# KiCad board uart-breakout.kicad_pcb
date: 2023-07-02
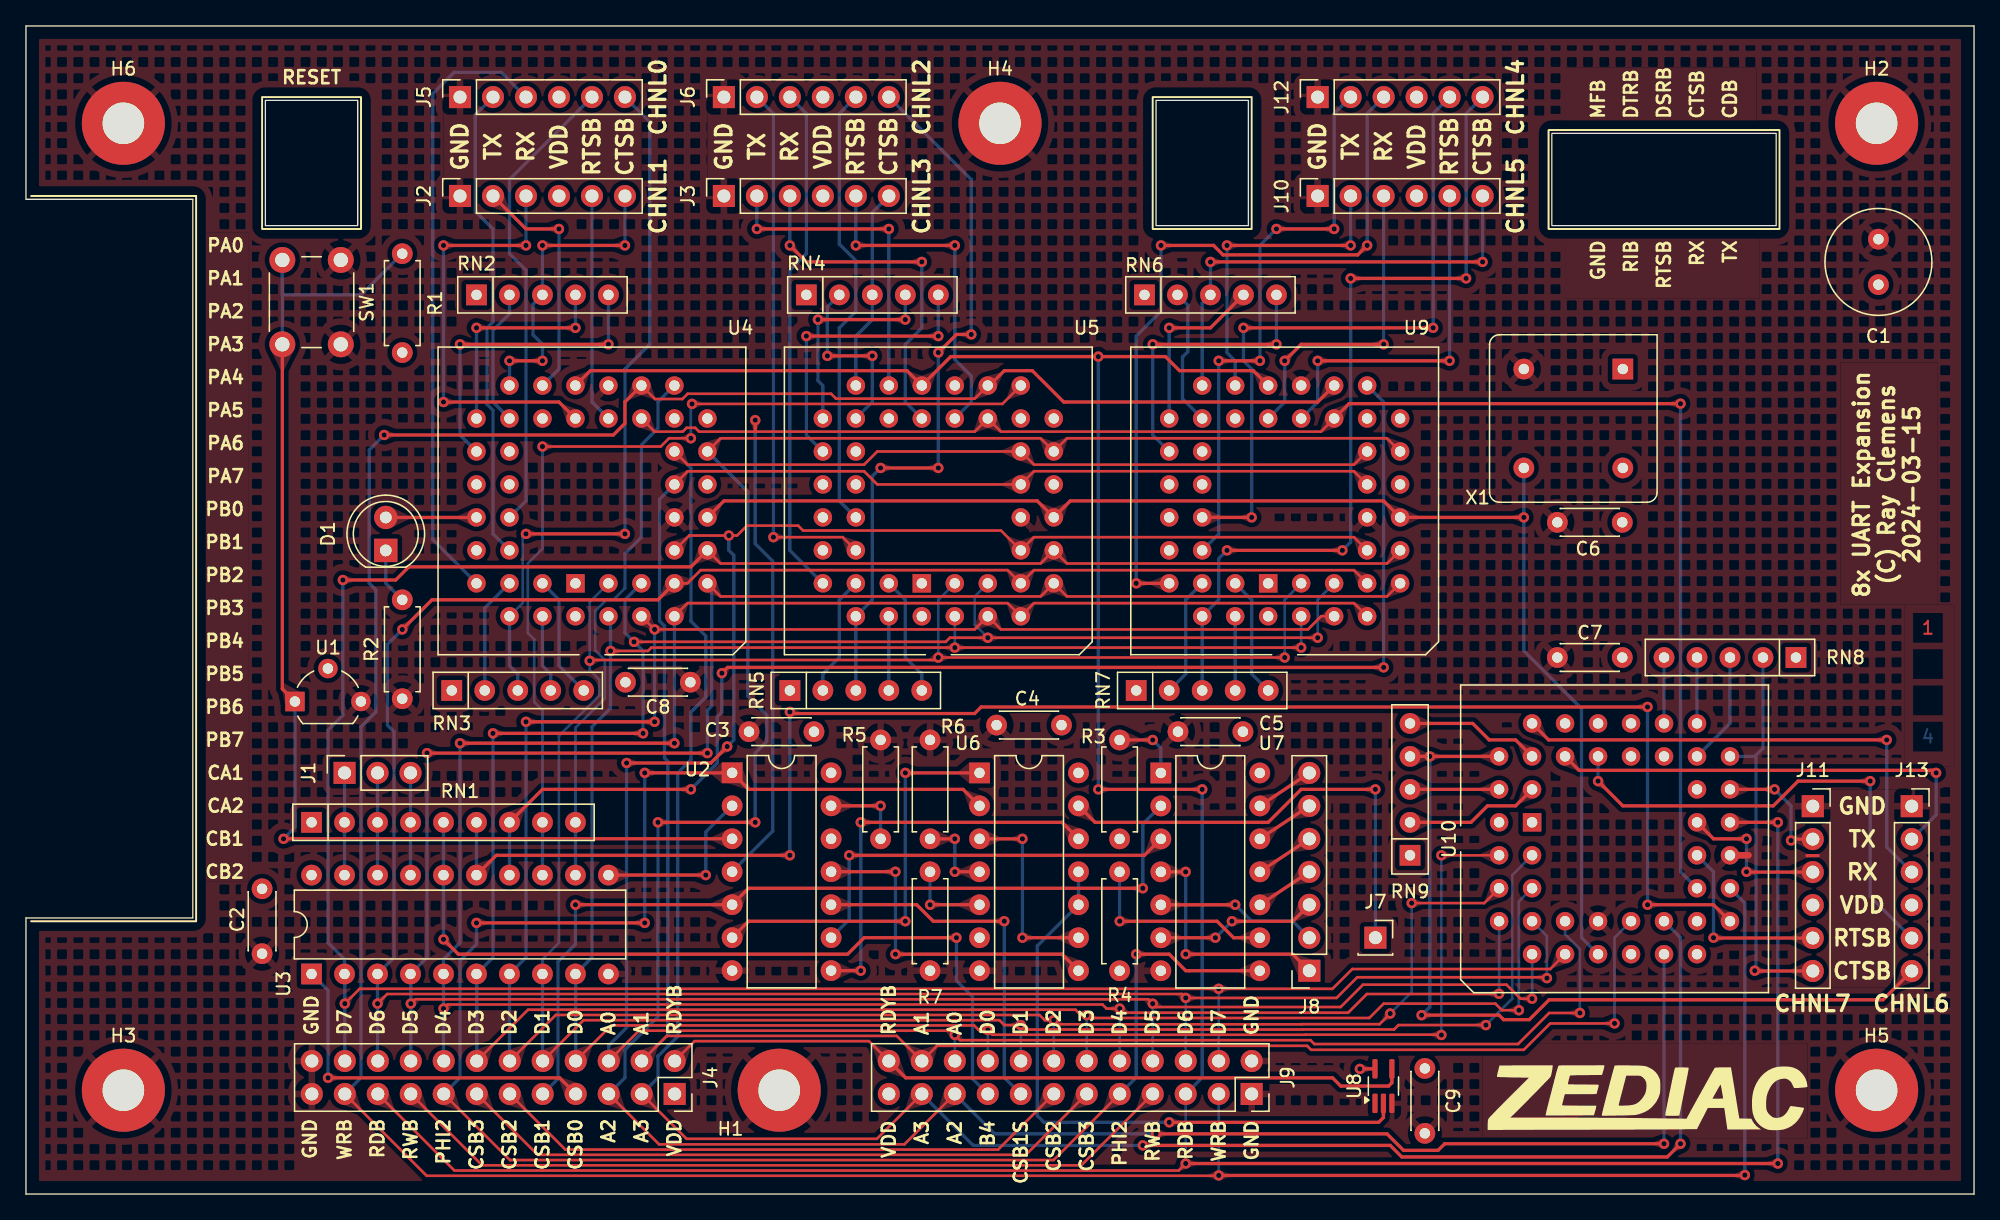
[diagram p0: board, top side]
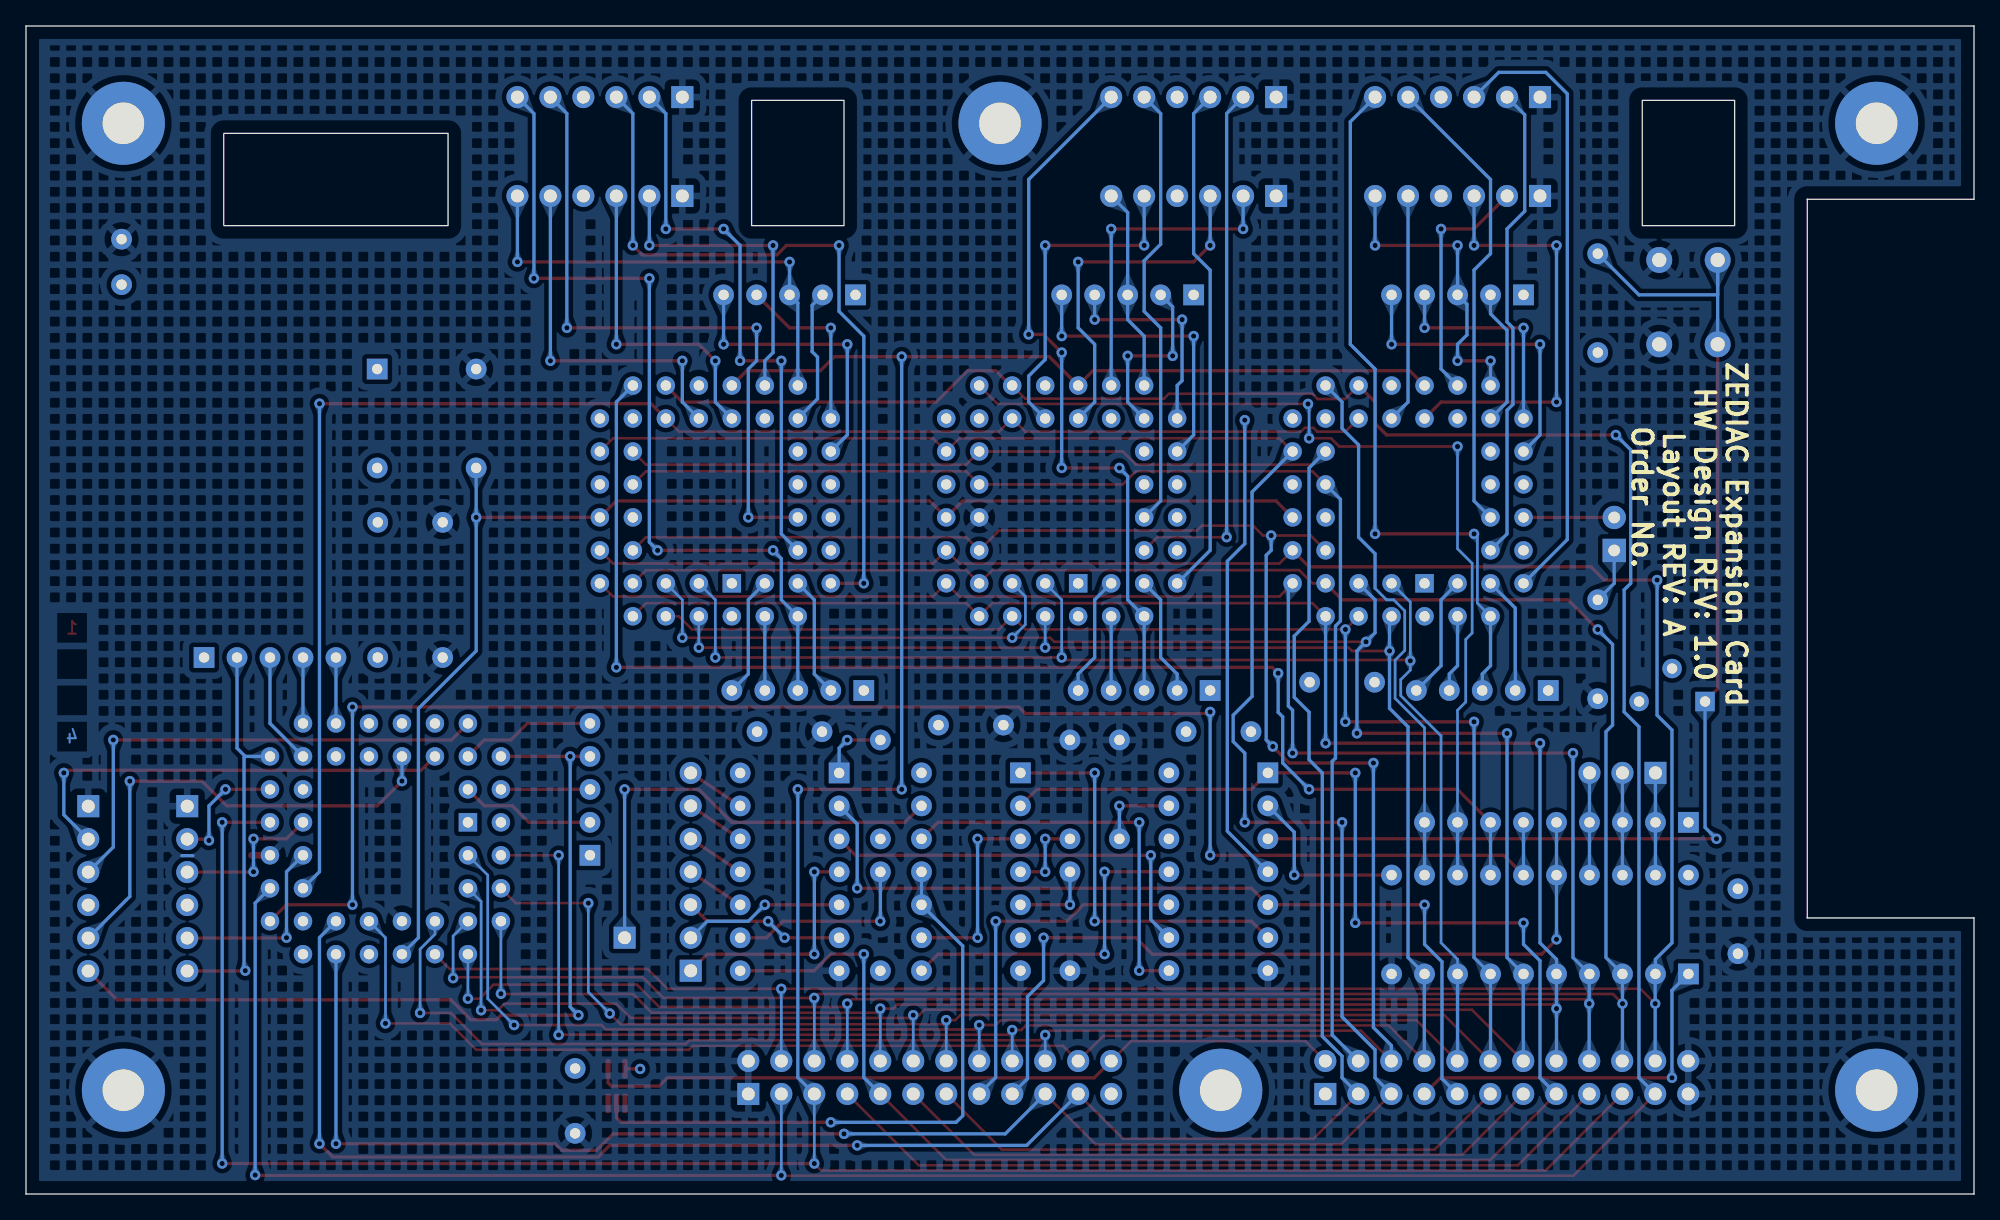
[diagram p1: board, bottom side, seen from below]

Outline 150 x 90 mm; copper layers: Top, In1.Cu, In2.Cu, Bottom. Coordinates in mm from the lower left corner of the outline.
Outline path: rectangle 18.43,84.27 25.55,74.61 ; rectangle 87.01,84.27 94.13,74.61 ; rectangle 117.49,81.73 134.77,74.61 ; 0,90 0,76.65 12.85,76.65 12.85,21.27 0,21.27 0,0 150,0 150,90 0,90
Stack: Top 0.035mm / dielectric 0.48mm FR4 er 4.5 / In1.Cu 0.035mm / dielectric 0.48mm FR4 er 4.5 / In2.Cu 0.035mm / dielectric 0.48mm FR4 er 4.5 / Bottom 0.035mm

## Placement (name value [footprint] x y rotation side)
C1  150u  [C_Radial_D8.0mm_H7.0mm_P3.50mm]  142.64 70.07 90 top
C2  0.1u  [C_Disc_D4.3mm_W1.9mm_P5.00mm]  18.18 23.52 270 top
C3  0.1u  [C_Disc_D4.3mm_W1.9mm_P5.00mm]  60.67 35.62 180 top
C4  0.1u  [C_Disc_D4.3mm_W1.9mm_P5.00mm]  79.73 36.13 180 top
C5  0.1u  [C_Disc_D4.3mm_W1.9mm_P5.00mm]  93.7 35.62 180 top
C6  0.1u  [C_Disc_D4.3mm_W1.9mm_P5.00mm]  122.91 51.75 180 top
C7  0.1u  [C_Disc_D4.3mm_W1.9mm_P5.00mm]  122.91 41.34 180 top
C8  0.1u  [C_Disc_D4.3mm_W1.9mm_P5.00mm]  46.16 39.44 0 top
C9  0.1u  [C_Disc_D4.3mm_W1.9mm_P5.00mm]  107.72 9.68 270 top
D1  LED  [LED_D5.0mm]  27.7 49.59 90 top
G1  LOGO  [zediac-logo]  124.86 7.43 0 top
H1  MountingHole_Pad  [MountingHole_3.2mm_M3_Pad]  58 8 0 top
H2  MountingHole_Pad  [MountingHole_3.2mm_M3_Pad]  142.5 82.5 0 top
H3  MountingHole_Pad  [MountingHole_3.2mm_M3_Pad]  7.5 8 0 top
H4  MountingHole_Pad  [MountingHole_3.2mm_M3_Pad]  75 82.5 0 top
H5  MountingHole_Pad  [MountingHole_3.2mm_M3_Pad]  142.5 8 0 top
H6  MountingHole_Pad  [MountingHole_3.2mm_M3_Pad]  7.5 82.5 0 top
J1  Conn_01x03  [PinSocket_1x03_P2.54mm_Vertical]  24.53 32.45 90 top
J2  Conn_01x06  [PinSocket_1x06_P2.54mm_Vertical]  33.42 76.9 90 top
J3  Conn_01x06  [PinSocket_1x06_P2.54mm_Vertical]  53.74 76.9 90 top
J4  Conn_02x12_Odd_Even  [PinSocket_2x12_P2.54mm_Vertical]  49.95 7.71 270 top
J5  Conn_01x06  [PinSocket_1x06_P2.54mm_Vertical]  33.42 84.52 90 top
J6  Conn_01x06  [PinSocket_1x06_P2.54mm_Vertical]  53.74 84.52 90 top
J7  Conn_01x01  [PinSocket_1x01_P2.54mm_Vertical]  103.91 19.75 0 top
J8  Conn_01x07  [PinSocket_1x07_P2.54mm_Vertical]  98.81 17.2 180 top
J9  Conn_02x12_Odd_Even  [PinSocket_2x12_P2.54mm_Vertical]  94.38 7.71 270 top
J10  Conn_01x06  [PinSocket_1x06_P2.54mm_Vertical]  99.46 76.9 90 top
J11  Conn_01x06  [PinSocket_1x06_P2.54mm_Vertical]  137.59 29.89 0 top
J12  Conn_01x06  [PinSocket_1x06_P2.54mm_Vertical]  99.46 84.52 90 top
J13  Conn_01x06  [PinSocket_1x06_P2.54mm_Vertical]  145.21 29.89 0 top
R1  1k  [R_Axial_DIN0207_L6.3mm_D2.5mm_P7.62mm_Horizontal]  28.98 64.84 90 top
R2  330  [R_Axial_DIN0207_L6.3mm_D2.5mm_P7.62mm_Horizontal]  28.98 38.17 90 top
R3  10k  [R_Axial_DIN0207_L6.3mm_D2.5mm_P7.62mm_Horizontal]  84.21 27.36 90 top
R4  10k  [R_Axial_DIN0207_L6.3mm_D2.5mm_P7.62mm_Horizontal]  84.21 17.2 90 top
R5  10k  [R_Axial_DIN0207_L6.3mm_D2.5mm_P7.62mm_Horizontal]  65.81 27.37 90 top
R6  10k  [R_Axial_DIN0207_L6.3mm_D2.5mm_P7.62mm_Horizontal]  69.61 27.37 90 top
R7  10k  [R_Axial_DIN0207_L6.3mm_D2.5mm_P7.62mm_Horizontal]  69.61 24.83 270 top
REF**  -  [Layer_Indicator_4]  146.45 39.44 0 top
RN1  1k  [R_Array_SIP9]  21.99 28.64 0 top
RN2  R_Network04  [R_Array_SIP5]  34.69 69.28 0 top
RN3  R_Network04  [R_Array_SIP5]  32.78 38.8 0 top
RN4  R_Network04  [R_Array_SIP5]  60.09 69.28 0 top
RN5  R_Network04  [R_Array_SIP5]  58.82 38.8 0 top
RN6  R_Network04  [R_Array_SIP5]  86.12 69.28 0 top
RN7  R_Network04  [R_Array_SIP5]  85.49 38.8 0 top
RN8  R_Network04  [R_Array_SIP5]  136.29 41.34 180 top
RN9  R_Network04  [R_Array_SIP5]  106.57 26.1 90 top
SW1  SW_Push  [SW_PUSH_6mm]  24.24 71.97 270 top
U1  DS1813  [TO-92L_Wide]  20.71 37.95 0 top
U2  74HC04  [DIP-14_W7.62mm]  54.38 32.45 0 top
U3  74ACT563  [DIP-20_W7.62mm]  21.99 16.96 90 top
U4  16C2552_PLCC  [PLCC-44_THT-Socket]  42.31 47.06 180 top
U5  16C2552_PLCC  [PLCC-44_THT-Socket]  68.98 47.06 180 top
U6  74HC00  [DIP-14_W7.62mm]  73.42 32.45 0 top
U7  74HCT164  [DIP-14_W7.62mm]  87.39 32.44 0 top
U8  74LVC1G07  [SOT-353_SC-70-5_Handsoldering]  104.53 8.32 90 top
U9  16C2552_PLCC  [PLCC-44_THT-Socket]  95.65 47.06 180 top
U10  16C2552_PLCC  [PLCC-44_THT-Socket]  115.97 28.64 90 top
X1  14.7456M  [Oscillator_DIP-8]  122.96 63.56 180 top

## Library data of the parts
C1 = -: Description: Polarized capacitor
C2-C9 = -: Description: Unpolarized capacitor
D1 = -: Description: Light emitting diode
H1-H6 = -: Description: Mounting Hole with connection
J1 = -: Description: Generic connector, single row, 01x03, script generated (kicad-library-utils/schlib/autogen/connector/)
J2 J3 J5 J6 J10-J13 = -: Description: Generic connector, single row, 01x06, script generated (kicad-library-utils/schlib/autogen/connector/)
J4 J9 = -: Description: Generic connector, double row, 02x12, odd/even pin numbering scheme (row 1 odd numbers, row 2 even numbers), script generated (kicad-library-utils/schlib/autogen/connector/)
J7 = -: Description: Generic connector, single row, 01x01, script generated (kicad-library-utils/schlib/autogen/connector/)
J8 = -: Description: Generic connector, single row, 01x07, script generated (kicad-library-utils/schlib/autogen/connector/)
R1-R7 = -: Description: Resistor
RN1 = -: Datasheet: http://www.vishay.com/docs/31509/csc.pdf; Description: 8 resistor network, star topology, bussed resistors, small symbol
RN2-RN9 = -: Datasheet: http://www.vishay.com/docs/31509/csc.pdf; Description: 4 resistor network, star topology, bussed resistors, small symbol
SW1 = -: Description: Push button switch, generic, two pins
U2 = -: Datasheet: https://assets.nexperia.com/documents/data-sheet/74HC_HCT04.pdf; Description: Hex Inverter
U3 = -: Datasheet: https://www.ti.com/lit/ds/symlink/sn74act563.pdf; Description: 8-bit Latch 3-state inverted outputs
U4 U5 U9 U10 = -: Datasheet: https://www.ti.com/lit/ds/symlink/tl16c2552.pdf; Description: DUART
U6 = -: Datasheet: http://www.ti.com/lit/gpn/sn74hc00; Description: quad 2-input NAND gate
U7 = -: Datasheet: https://assets.nexperia.com/documents/data-sheet/74HC_HCT164.pdf; Description: 8-bit serial-in parallel-out shift register
U8 = -: Datasheet: https://www.ti.com/lit/ds/symlink/sn74lvc1g07.pdf; Description: Single Buffer Gate, Open Drain, Low-Voltage CMOS
X1 = -: Datasheet: http://cdn-reichelt.de/documents/datenblatt/B400/OSZI.pdf; Description: Crystal Clock Oscillator, DIP8-style metal package

## Footprints (pads in the part's own frame, mm; a bottom-side part is the same pattern mirrored in y, then rotated)
C_Disc_D4.3mm_W1.9mm_P5.00mm
  round 1.6 hole 0.8: 1(0,0) 2(5,0)
C_Radial_D8.0mm_H7.0mm_P3.50mm
  round 1.6 hole 0.8: 1(0,0) 2(3.5,0)
DIP-14_W7.62mm
  rect 1.6x1.6 hole 0.8: 1(0,0)
  oval 1.6x1.6 hole 0.8: 2(0,-2.54) 3(0,-5.08) 4(0,-7.62) 5(0,-10.16) 6(0,-12.7) 7(0,-15.24) 8(7.62,-15.24) 9(7.62,-12.7) 10(7.62,-10.16) 11(7.62,-7.62) 12(7.62,-5.08) 13(7.62,-2.54) 14(7.62,0)
DIP-20_W7.62mm
  rect 1.6x1.6 hole 0.8: 1(0,0)
  oval 1.6x1.6 hole 0.8: 2(0,-2.54) 3(0,-5.08) 4(0,-7.62) 5(0,-10.16) 6(0,-12.7) 7(0,-15.24) 8(0,-17.78) 9(0,-20.32) 10(0,-22.86) 11(7.62,-22.86) 12(7.62,-20.32) 13(7.62,-17.78) 14(7.62,-15.24) 15(7.62,-12.7) 16(7.62,-10.16) 17(7.62,-7.62) 18(7.62,-5.08) 19(7.62,-2.54) 20(7.62,0)
LED_D5.0mm
  rect 1.8x1.8 hole 0.9: 1(0,0)
  round 1.8 hole 0.9: 2(2.54,0)
MountingHole_3.2mm_M3_Pad
  round 6.4 hole 3.2: 1(0,0)
Oscillator_DIP-8
  rect 1.6x1.6 hole 0.8: 1(0,0)
  round 1.6 hole 0.8: 4(7.62,0) 5(7.62,7.62) 8(0,7.62)
PinSocket_1x01_P2.54mm_Vertical
  rect 1.7x1.7 hole 1: 1(0,0)
PinSocket_1x03_P2.54mm_Vertical
  rect 1.7x1.7 hole 1: 1(0,0)
  oval 1.7x1.7 hole 1: 2(0,-2.54) 3(0,-5.08)
PinSocket_1x06_P2.54mm_Vertical
  rect 1.7x1.7 hole 1: 1(0,0)
  oval 1.7x1.7 hole 1: 2(0,-2.54) 3(0,-5.08) 4(0,-7.62) 5(0,-10.16) 6(0,-12.7)
PinSocket_1x07_P2.54mm_Vertical
  rect 1.7x1.7 hole 1: 1(0,0)
  oval 1.7x1.7 hole 1: 2(0,-2.54) 3(0,-5.08) 4(0,-7.62) 5(0,-10.16) 6(0,-12.7) 7(0,-15.24)
PinSocket_2x12_P2.54mm_Vertical
  rect 1.7x1.7 hole 1: 1(0,0)
  oval 1.7x1.7 hole 1: 2(-2.54,0) 3(0,-2.54) 4(-2.54,-2.54) 5(0,-5.08) 6(-2.54,-5.08) 7(0,-7.62) 8(-2.54,-7.62) 9(0,-10.16) 10(-2.54,-10.16) 11(0,-12.7) 12(-2.54,-12.7) 13(0,-15.24) 14(-2.54,-15.24) 15(0,-17.78) 16(-2.54,-17.78) 17(0,-20.32) 18(-2.54,-20.32) 19(0,-22.86) 20(-2.54,-22.86) 21(0,-25.4) 22(-2.54,-25.4) 23(0,-27.94) 24(-2.54,-27.94)
PLCC-44_THT-Socket
  rect 1.422x1.422 hole 0.8: 1(0,0)
  round 1.422 hole 0.8: 2(-2.54,2.54) 3(-2.54,0) 4(-5.08,2.54) 5(-5.08,0) 6(-7.62,2.54) 7(-10.16,0) 8(-7.62,0) 9(-10.16,-2.54) 10(-7.62,-2.54) 11(-10.16,-5.08) 12(-7.62,-5.08) 13(-10.16,-7.62) 14(-7.62,-7.62) 15(-10.16,-10.16) 16(-7.62,-10.16) 17(-10.16,-12.7) 18(-7.62,-15.24) 19(-7.62,-12.7) 20(-5.08,-15.24) 21(-5.08,-12.7) 22(-2.54,-15.24) 23(-2.54,-12.7) 24(0,-15.24) 25(0,-12.7) 26(2.54,-15.24) 27(2.54,-12.7) 28(5.08,-15.24) 29(7.62,-12.7) 30(5.08,-12.7) 31(7.62,-10.16) 32(5.08,-10.16) 33(7.62,-7.62) 34(5.08,-7.62) 35(7.62,-5.08) 36(5.08,-5.08) 37(7.62,-2.54) 38(5.08,-2.54) 39(7.62,0) 40(5.08,2.54) 41(5.08,0) 42(2.54,2.54) 43(2.54,0) 44(0,2.54)
R_Array_SIP5
  rect 1.6x1.6 hole 0.8: 1(0,0)
  oval 1.6x1.6 hole 0.8: 2(2.54,0) 3(5.08,0) 4(7.62,0) 5(10.16,0)
R_Array_SIP9
  rect 1.6x1.6 hole 0.8: 1(0,0)
  oval 1.6x1.6 hole 0.8: 2(2.54,0) 3(5.08,0) 4(7.62,0) 5(10.16,0) 6(12.7,0) 7(15.24,0) 8(17.78,0) 9(20.32,0)
R_Axial_DIN0207_L6.3mm_D2.5mm_P7.62mm_Horizontal
  round 1.6 hole 0.8: 1(0,0)
  oval 1.6x1.6 hole 0.8: 2(7.62,0)
SOT-353_SC-70-5_Handsoldering
  rrect 1.5x0.4 smd: 1(-1.33,0.65) 2(-1.33,0) 3(-1.33,-0.65) 4(1.33,-0.65) 5(1.33,0.65)
SW_PUSH_6mm
  round 2 hole 1.1: 1(0,0) 1(6.5,0) 2(0,-4.5) 2(6.5,-4.5)
TO-92L_Wide
  rect 1.5x1.5 hole 0.8: 1(0,0)
  round 1.5 hole 0.8: 2(2.54,2.54) 3(5.08,0)

## Nets
GND: C1.2 C2.2 C3.2 C4.2 C5.2 C6.2 C7.2 C8.2 C9.2 H1.1 H2.1 H3.1 H4.1 H5.1 H6.1 J2.1 J3.1 J4.23 J4.24 J5.1 J6.1 J9.1 J9.2 J10.1 J11.1 J12.1 J13.1 R2.1 R5.2 R6.2 R7.2 SW1.1 U1.3 U2.7 U3.10 U4.12 U4.22 U5.12 U5.22 U6.7 U7.7 U8.3 U9.12 U9.22 U10.12 U10.22 X1.4
VDD: C1.1 C2.1 C3.1 C4.1 C5.1 C6.1 C7.1 C8.1 C9.1 J2.4 J3.4 J4.1 J5.4 J6.4 J9.23 J10.4 J11.4 J12.4 J13.4 R1.1 R3.1 R4.1 RN1.1 RN2.1 RN3.1 RN4.1 RN5.1 RN6.1 RN7.1 RN8.1 RN9.1 U1.2 U2.14 U3.20 U4.33 U4.44 U5.33 U5.44 U6.14 U7.14 U8.5 U9.33 U9.44 U10.33 U10.44 X1.8
//RDY: J4.2 J9.24 U8.4
/A0: J4.6 J9.20 U4.10 U5.10 U9.10 U10.10
/A1: J4.4 J9.22 U4.14 U5.14 U9.14 U10.14
/A2: J4.5 J9.19 U4.15 U5.15 U9.15 U10.15
/A3: J4.3 J9.21 U4.16 U5.16 U9.16 U10.16
/AUXCSB0: J4.7 U3.1
/AUXCSB1: J4.9 U2.5 U7.2
/AUXCSB2: J4.11 J9.13
/AUXCSB3: J4.13 J9.11
/B4: J9.17 RN1.5 U3.16
/B5: J1.3 RN1.4 U3.17
/B6: J1.2 RN1.3 U3.18
/B7: J1.1 RN1.2 U3.19
/CSB_CLOCKED: U6.3 U6.9
/CSB_SLOW: J9.15 U2.10
/D0: J4.8 J9.18 U3.9 U4.2 U5.2 U9.2 U10.2
/D1: J4.10 J9.16 U3.8 U4.3 U5.3 U9.3 U10.3
/D2: J4.12 J9.14 U3.7 U4.4 U5.4 U9.4 U10.4
/D3: J4.14 J9.12 U3.6 U4.5 U5.5 U9.5 U10.5
/D4: J4.16 J9.10 U3.5 U4.6 U5.6 U9.6 U10.6
/D5: J4.18 J9.8 U3.4 U4.7 U5.7 U9.7 U10.7
/D6: J4.20 J9.6 U3.3 U4.8 U5.8 U9.8 U10.8
/D7: J4.22 J9.4 U3.2 U4.9 U5.9 U9.9 U10.9
/PHI1: U2.2 U3.11
/PHI2: J4.15 J9.9 U2.1 U6.2 U7.8
/RDB: J4.19 J9.5 U4.24 U5.24 U9.24 U10.24
/RES: U2.4 U4.21 U5.21 U9.21 U10.21
/RWB: J4.17 J9.7
/RX0B: J5.3 U4.39
/RX1B: J2.3 U4.25
/RX2B: J6.3 U5.39
/RX3B: J3.3 U5.25
/RX4B: J12.3 U9.39
/RX5B: J10.3 U9.25
/RX6B: J13.3 U10.39
/RX7B: J11.3 U10.25
/TX0B: J5.2 U4.38
/TX1B: J2.2 U4.26
/TX2B: J6.2 U5.38
/TX3B: J3.2 U5.26
/TX4B: J12.2 U9.38
/TX5B: J10.2 U9.26
/TX6B: J13.2 U10.38
/TX7B: J11.2 U10.26
/WRB: J4.21 J9.3 U4.20 U5.20 U9.20 U10.20
/~{CD0B}: RN3.4 U4.42
/~{CD1B}: RN2.2 U4.30
/~{CD2B}: RN5.4 U5.42
/~{CD3B}: RN4.2 U5.30
/~{CD4B}: RN7.4 U9.42
/~{CD5B}: RN6.2 U9.30
/~{CD6B}: RN9.3 U10.42
/~{CD7B}: RN8.3 U10.30
/~{CS0}: RN1.9 U3.12 U4.18
/~{CS1}: RN1.8 U3.13 U5.18
/~{CS2}: RN1.7 U3.14 U9.18
/~{CS3}: RN1.6 U3.15 U10.18
/~{CTS0B}: J5.6 RN3.3 U4.40
/~{CTS1B}: J2.6 RN2.3 U4.28
/~{CTS2B}: J6.6 RN5.3 U5.40
/~{CTS3B}: J3.6 RN4.3 U5.28
/~{CTS4B}: J12.6 RN7.3 U9.40
/~{CTS5B}: J10.6 RN6.3 U9.28
/~{CTS6B}: J13.6 RN9.4 U10.40
/~{CTS7B}: J11.6 RN8.2 U10.28
/~{DSR0B}: RN3.2 U4.41
/~{DSR1B}: RN2.4 U4.29
/~{DSR2B}: RN5.2 U5.41
/~{DSR3B}: RN4.4 U5.29
/~{DSR4B}: RN7.2 U9.41
/~{DSR5B}: RN6.4 U9.29
/~{DSR6B}: RN9.5 U10.41
/~{DSR7B}: RN8.4 U10.29
/~{DTR0B}: U4.37
/~{DTR1B}: U4.27
/~{DTR2B}: U5.37
/~{DTR3B}: U5.27
/~{DTR4B}: U9.37
/~{DTR5B}: U9.27
/~{DTR6B}: U10.37
/~{DTR7B}: U10.27
/~{MF0B}: D1.2 U4.35
/~{MF1B}: U4.19
/~{MF2B}: U5.35
/~{MF3B}: U5.19
/~{MF4B}: U9.35
/~{MF5B}: U9.19
/~{MF6B}: U10.35
/~{MF7B}: U10.19
/~{RI0B}: RN3.5 U4.43
/~{RI1B}: RN2.5 U4.31
/~{RI2B}: RN5.5 U5.43
/~{RI3B}: RN4.5 U5.31
/~{RI4B}: RN7.5 U9.43
/~{RI5B}: RN6.5 U9.31
/~{RI6B}: RN9.2 U10.43
/~{RI7B}: RN8.5 U10.31
/~{RTS0B}: J5.5 U4.36
/~{RTS1B}: J2.5 U4.23
/~{RTS2B}: J6.5 U5.36
/~{RTS3B}: J3.5 U5.23
/~{RTS4B}: J12.5 U9.36
/~{RTS5B}: J10.5 U9.23
/~{RTS6B}: J13.5 U10.36
/~{RTS7B}: J11.5 U10.23
Net-(D1-K): D1.1 R2.2
Net-(J7-Pin_1): J7.1 U6.13
Net-(J8-Pin_1): J8.1 U7.4
Net-(J8-Pin_2): J8.2 U7.5
Net-(J8-Pin_3): J8.3 U7.6
Net-(J8-Pin_4): J8.4 U7.10
Net-(J8-Pin_5): J8.5 U7.11
Net-(J8-Pin_6): J8.6 U7.12
Net-(J8-Pin_7): J8.7 U7.13
Net-(R5-Pad1): R5.1 U2.13
Net-(R6-Pad1): R6.1 U6.4
Net-(R7-Pad1): R7.1 U6.5
Net-(U1-RST): R1.2 SW1.2 U1.1 U2.3
Net-(U2-Pad6): U2.6 U6.1
Net-(U2-Pad8): U2.8 U6.12
Net-(U2-Pad11): U2.11 U6.8
Net-(U6-Pad10): U6.10 U6.11 U8.2
Net-(U7-DSA): R3.2 U7.1
Net-(U7-Q0): U2.9 U7.3
Net-(U7-~{MR}): R4.2 U7.9
Net-(U10-XTAL1): U4.11 U5.11 U9.11 U10.11 X1.5